# Altium PCB controller_V1.1.PcbDoc (part 6 of 7)
Units mil, origin at the board's own origin, x right, y up, seen from the top; angles counter-clockwise.
Board outline 9606 x 5905.51 mil, 2 copper layers (Top Layer, Bottom Layer); 439 components, 370 nets, 1496 pads, 8411 vias.
Unrouted connection lines stored in the file: 1.
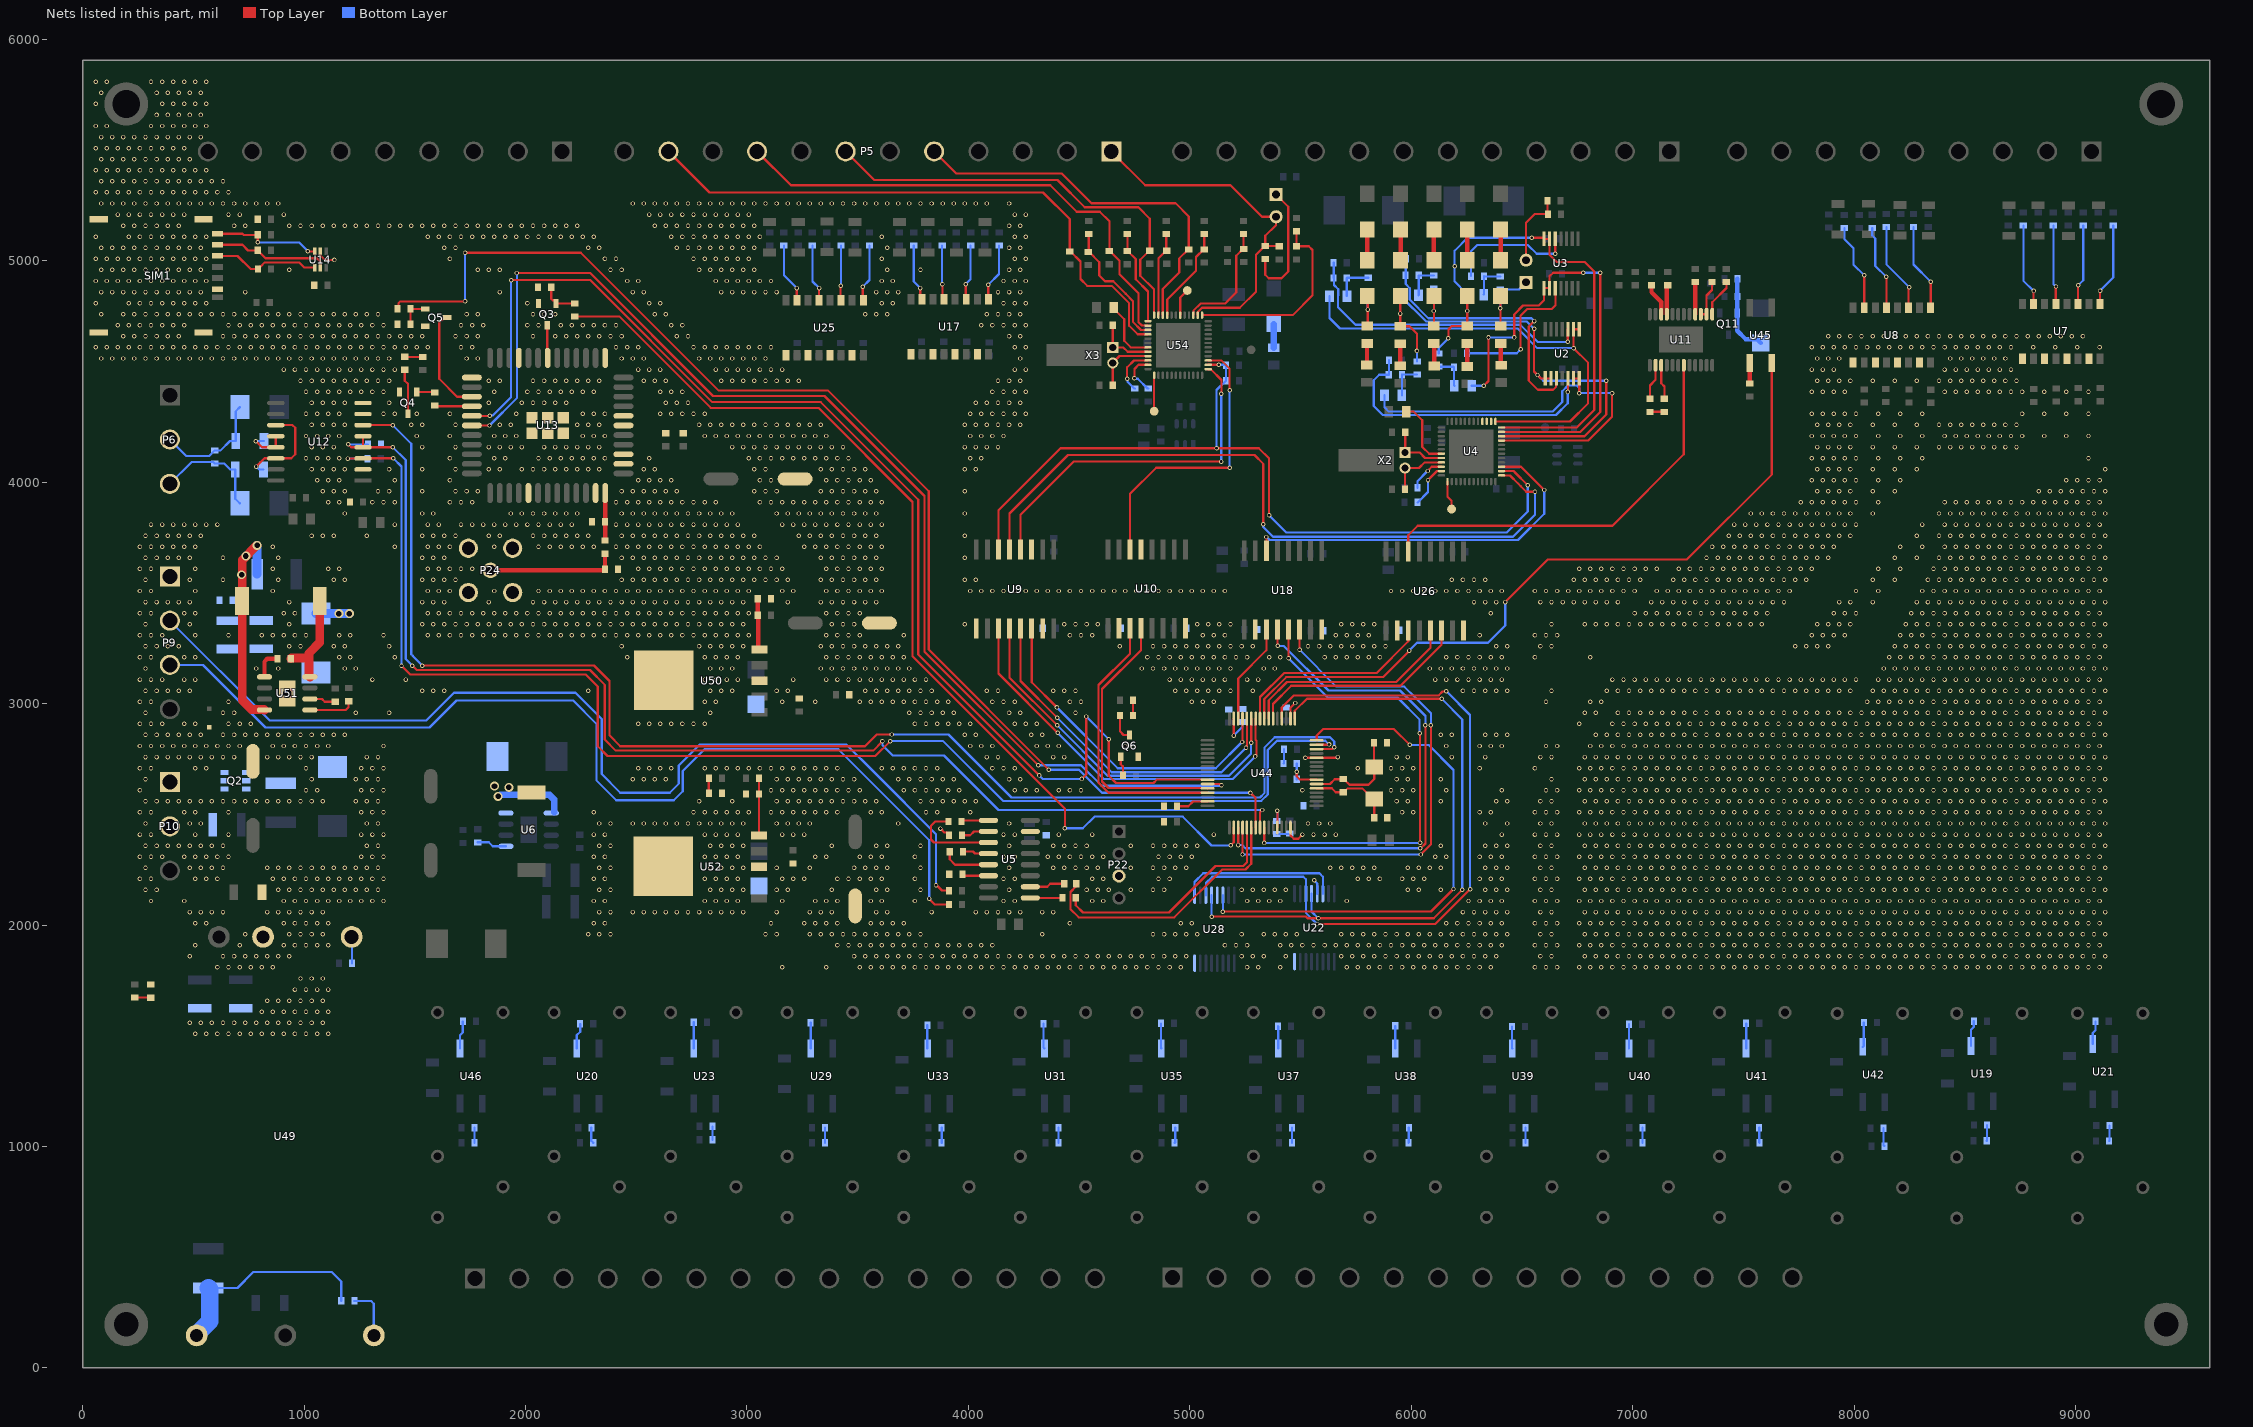
[diagram p6: the nets of this part, all layers, seen from the top]

## Via types
v1: diameter 20, hole 12, Top Layer to Bottom Layer, tented both sides, 8291 vias
v2: diameter 23.62, hole 11.81, Top Layer to Bottom Layer, 50 vias
v3: diameter 40, hole 25, Top Layer to Bottom Layer, tented both sides, 48 vias
v4: diameter 30, hole 20, Top Layer to Bottom Layer, tented both sides, 16 vias
v5: diameter 60, hole 40, Top Layer to Bottom Layer, tented both sides, 4 vias
v6: diameter 59.06, hole 39.37, Top Layer to Bottom Layer, 2 vias

## Nets (pads, with @x,y where several pads share a name; then routed paths per layer and width w, separated by ;. In a path a pad name is that pad's centre, name@x,y a point inside that pad or via, vN(x,y) a via of type N, cw(c..) or ccw(c..) an arc to the next point about the centre after c; other vN are vias at no path point) (continued)
GND: (continued)
  other v1: 7908.75,4209 7958.75,4209 8008.75,4209 8108.75,4209 8208.75,4209 8308.75,4209 8408.75,4209 8458.75,4209 8508.75,4209 8558.75,4209 8608.75,4209 8658.75,4209 8708.75,4209 8758.75,4209 8858.75,4209 8958.75,4209 9058.75,4209 1033.75,4259 1083.75,4259 1133.75,4259 1183.75,4259 1483.75,4259 1533.75,4259 1683.75,4259 1883.75,4259 1933.75,4259 2233.75,4259 2283.75,4259 2333.75,4259 2783.75,4259 2833.75,4259 2883.75,4259 2933.75,4259 2983.75,4259 3033.75,4259 3083.75,4259 3133.75,4259 3183.75,4259 3233.75,4259 3283.75,4259 3333.75,4259 3983.75,4259 4033.75,4259 4083.75,4259 4133.75,4259 4183.75,4259 4233.75,4259 7833.75,4259 7883.75,4259 7933.75,4259 7983.75,4259 8083.75,4259 8183.75,4259 8283.75,4259 8383.75,4259 8433.75,4259 8483.75,4259 8533.75,4259 8583.75,4259 8633.75,4259 8683.75,4259 8733.75,4259 1008.75,4309 1058.75,4309 1108.75,4309 1158.75,4309 1358.75,4309 1408.75,4309 1508.75,4309 1658.75,4309 1958.75,4309 2258.75,4309 2308.75,4309 2358.75,4309 2608.75,4309 2658.75,4309 2708.75,4309 2758.75,4309 2808.75,4309 4008.75,4309 4058.75,4309 4108.75,4309 4158.75,4309 4208.75,4309 4258.75,4309 7808.75,4309 7858.75,4309 7908.75,4309 7958.75,4309 8008.75,4309 8108.75,4309 8208.75,4309 8308.75,4309 8758.75,4309 8858.75,4309 8958.75,4309 9058.75,4309 1033.75,4359 1083.75,4359 1133.75,4359 1183.75,4359 1383.75,4359 1833.75,4359 1983.75,4359 2033.75,4359 2083.75,4359 2133.75,4359 2183.75,4359 2633.75,4359 2683.75,4359 2733.75,4359 4033.75,4359 4083.75,4359 4133.75,4359 4183.75,4359 4233.75,4359 1008.75,4409 1058.75,4409 1108.75,4409 1158.75,4409 1208.75,4409 1258.75,4409 1308.75,4409 1358.75,4409 1858.75,4409 2008.75,4409 2058.75,4409 2108.75,4409 2158.75,4409 2208.75,4409 2258.75,4409 2308.75,4409 2608.75,4409 2658.75,4409 2708.75,4409 4108.75,4409 4158.75,4409 4208.75,4409 4258.75,4409 7808.75,4409 7858.75,4409 7908.75,4409 7958.75,4409 8408.75,4409 8458.75,4409 8508.75,4409 8558.75,4409 8608.75,4409 8658.75,4409 8708.75,4409 8758.75,4409 8858.75,4409 8958.75,4409 9058.75,4409 983.75,4459 1033.75,4459 1083.75,4459 1133.75,4459 1183.75,4459 1233.75,4459 1283.75,4459 1333.75,4459 1383.75,4459 1833.75,4459 1883.75,4459 2033.75,4459 2083.75,4459 2133.75,4459 2183.75,4459 2233.75,4459 2283.75,4459 2333.75,4459 2533.75,4459 2583.75,4459 2633.75,4459 2883.75,4459 2933.75,4459 2983.75,4459 3033.75,4459 3083.75,4459 3133.75,4459 3183.75,4459 3233.75,4459 4133.75,4459 4183.75,4459 4233.75,4459 7833.75,4459 7883.75,4459 7933.75,4459 7983.75,4459 8083.75,4459 8183.75,4459 8283.75,4459 8383.75,4459 8433.75,4459 8483.75,4459 8533.75,4459 8583.75,4459 8633.75,4459 8683.75,4459 8733.75,4459 908.75,4509 958.75,4509 1008.75,4509 1058.75,4509 1108.75,4509 1158.75,4509 1208.75,4509 1258.75,4509 1308.75,4509 1358.75,4509 1408.75,4509 2508.75,4509 2558.75,4509 2608.75,4509 2858.75,4509 2908.75,4509 2958.75,4509 3008.75,4509 3058.75,4509 3108.75,4509 3158.75,4509 4208.75,4509 4258.75,4509 7808.75,4509 7858.75,4509 7908.75,4509 8408.75,4509 8458.75,4509 8508.75,4509 8558.75,4509 8608.75,4509 8658.75,4509 8708.75,4509 83.75,4559 133.75,4559 183.75,4559 233.75,4559 283.75,4559 333.75,4559 383.75,4559 433.75,4559 483.75,4559 533.75,4559 583.75,4559 633.75,4559 683.75,4559 733.75,4559 783.75,4559 833.75,4559 883.75,4559 933.75,4559 983.75,4559 1033.75,4559 1083.75,4559 1133.75,4559 1183.75,4559 1233.75,4559 1283.75,4559 1333.75,4559 1383.75,4559 1733.75,4559 1783.75,4559 2433.75,4559 2483.75,4559 2533.75,4559 2783.75,4559 2833.75,4559 2883.75,4559 2933.75,4559 2983.75,4559 3033.75,4559 3083.75,4559 4233.75,4559 7833.75,4559 7883.75,4559 7933.75,4559 8433.75,4559 8483.75,4559 8533.75,4559 8583.75,4559 8633.75,4559 8683.75,4559 58.75,4609 108.75,4609 158.75,4609 208.75,4609 258.75,4609 308.75,4609 358.75,4609 408.75,4609 458.75,4609 508.75,4609 558.75,4609 608.75,4609 658.75,4609 708.75,4609 758.75,4609 808.75,4609 858.75,4609 908.75,4609 958.75,4609 1008.75,4609 1058.75,4609 1108.75,4609 1158.75,4609 1208.75,4609 1258.75,4609 1308.75,4609 1358.75,4609 1408.75,4609 1458.75,4609 1508.75,4609 1558.75,4609 1708.75,4609 1758.75,4609 2408.75,4609 2458.75,4609 2508.75,4609 2758.75,4609 2808.75,4609 2858.75,4609 2908.75,4609 2958.75,4609 3008.75,4609 3058.75,4609 3108.75,4609 4208.75,4609 4258.75,4609 7808.75,4609 7858.75,4609 7908.75,4609 7958.75,4609 8008.75,4609 8058.75,4609 8108.75,4609 8158.75,4609 8208.75,4609 8258.75,4609 8308.75,4609 8358.75,4609 8408.75,4609 8458.75,4609 8508.75,4609 8558.75,4609 8608.75,4609 8658.75,4609 8708.75,4609 8808.75,4609 8908.75,4609 9008.75,4609 9108.75,4609 183.75,4659 233.75,4659 283.75,4659 333.75,4659 383.75,4659 433.75,4659 633.75,4659 683.75,4659 733.75,4659 783.75,4659 833.75,4659 883.75,4659 933.75,4659 983.75,4659 1033.75,4659 1083.75,4659 1133.75,4659 1183.75,4659 1233.75,4659 1283.75,4659 1333.75,4659 1383.75,4659 1433.75,4659 1483.75,4659 1533.75,4659 1683.75,4659 1733.75,4659 1783.75,4659 2033.75,4659 2133.75,4659 2183.75,4659 2233.75,4659 2283.75,4659 2333.75,4659 2383.75,4659 2433.75,4659 2683.75,4659 2733.75,4659 4183.75,4659 4233.75,4659 7883.75,4659 7933.75,4659 7983.75,4659 8033.75,4659 8083.75,4659 8133.75,4659 8183.75,4659 8233.75,4659 8283.75,4659 8333.75,4659 8383.75,4659 8433.75,4659 8483.75,4659 8533.75,4659 8583.75,4659 8633.75,4659 8683.75,4659 8733.75,4659 8783.75,4659 8833.75,4659 8883.75,4659 8933.75,4659 8983.75,4659 9033.75,4659 158.75,4709 208.75,4709 258.75,4709 308.75,4709 358.75,4709 408.75,4709 458.75,4709 658.75,4709 708.75,4709 758.75,4709 808.75,4709 858.75,4709 908.75,4709 958.75,4709 1008.75,4709 1058.75,4709 1108.75,4709 1158.75,4709 1208.75,4709 1258.75,4709 1308.75,4709 1358.75,4709 1708.75,4709 1758.75,4709 1808.75,4709 2008.75,4709 2058.75,4709 2158.75,4709 2208.75,4709 2258.75,4709 2308.75,4709 2358.75,4709 2408.75,4709 2658.75,4709 2708.75,4709 4058.75,4709 4108.75,4709 4158.75,4709 4208.75,4709 4258.75,4709 83.75,4759 183.75,4759 233.75,4759 283.75,4759 333.75,4759 383.75,4759 433.75,4759 483.75,4759 533.75,4759 583.75,4759 633.75,4759 683.75,4759 733.75,4759 783.75,4759 833.75,4759 883.75,4759 933.75,4759 983.75,4759 1033.75,4759 1083.75,4759 1133.75,4759 1183.75,4759 1233.75,4759 1283.75,4759 1333.75,4759 1733.75,4759 1783.75,4759 2033.75,4759 2083.75,4759 2133.75,4759 2583.75,4759 2633.75,4759 3533.75,4759 3583.75,4759 3633.75,4759 4083.75,4759 4133.75,4759 4183.75,4759 4233.75,4759 58.75,4809 208.75,4809 258.75,4809 308.75,4809 358.75,4809 408.75,4809 458.75,4809 508.75,4809 558.75,4809 2008.75,4809 2558.75,4809 2608.75,4809 3608.75,4809 3658.75,4809 4158.75,4809 4208.75,4809 4258.75,4809 83.75,4859 133.75,4859 183.75,4859 233.75,4859 283.75,4859 333.75,4859 383.75,4859 433.75,4859 483.75,4859 533.75,4859 733.75,4859 1883.75,4859 2483.75,4859 2533.75,4859 2883.75,4859 2933.75,4859 2983.75,4859 3033.75,4859 3083.75,4859 3133.75,4859 3583.75,4859 3633.75,4859 3683.75,4859 4133.75,4859 4183.75,4859 4233.75,4859 58.75,4909 108.75,4909 158.75,4909 208.75,4909 258.75,4909 308.75,4909 358.75,4909 408.75,4909 458.75,4909 508.75,4909 558.75,4909 2458.75,4909 2508.75,4909 2858.75,4909 2908.75,4909 2958.75,4909 3008.75,4909 3058.75,4909 3108.75,4909 3608.75,4909 3658.75,4909 4158.75,4909 4208.75,4909 4258.75,4909 83.75,4959 133.75,4959 183.75,4959 233.75,4959 283.75,4959 333.75,4959 383.75,4959 433.75,4959 483.75,4959 533.75,4959 933.75,4959 1783.75,4959 1833.75,4959 1883.75,4959 2383.75,4959 2433.75,4959 2783.75,4959 2833.75,4959 2883.75,4959 2933.75,4959 2983.75,4959 3033.75,4959 3633.75,4959 3783.75,4959 4183.75,4959 4233.75,4959 58.75,5009 108.75,5009 158.75,5009 208.75,5009 258.75,5009 308.75,5009 358.75,5009 408.75,5009 458.75,5009 508.75,5009 558.75,5009 1658.75,5009 2358.75,5009 2408.75,5009 2758.75,5009 2808.75,5009 2858.75,5009 2908.75,5009 2958.75,5009 3008.75,5009 3608.75,5009 4208.75,5009 4258.75,5009 83.75,5059 133.75,5059 183.75,5059 233.75,5059 283.75,5059 333.75,5059 383.75,5059 433.75,5059 483.75,5059 533.75,5059 1633.75,5059 1683.75,5059 2283.75,5059 2333.75,5059 2683.75,5059 2733.75,5059 2783.75,5059 2833.75,5059 2883.75,5059 2933.75,5059 2983.75,5059 3033.75,5059 3633.75,5059 4183.75,5059 4233.75,5059 58.75,5109 208.75,5109 258.75,5109 308.75,5109 358.75,5109 408.75,5109 458.75,5109 508.75,5109 558.75,5109 1558.75,5109 1608.75,5109 1658.75,5109 1708.75,5109 1758.75,5109 1808.75,5109 1858.75,5109 1908.75,5109 1958.75,5109 2008.75,5109 2058.75,5109 2108.75,5109 2158.75,5109 2208.75,5109 2258.75,5109 2308.75,5109 2658.75,5109 2708.75,5109 2758.75,5109 2808.75,5109 2858.75,5109 2908.75,5109 2958.75,5109 3008.75,5109 3058.75,5109 3608.75,5109 4208.75,5109 4258.75,5109 183.75,5159 233.75,5159 283.75,5159 333.75,5159 383.75,5159 433.75,5159 683.75,5159 733.75,5159 933.75,5159 983.75,5159 1033.75,5159 1083.75,5159 1133.75,5159 1183.75,5159 1233.75,5159 1283.75,5159 1333.75,5159 1383.75,5159 1433.75,5159 1483.75,5159 1533.75,5159 1583.75,5159 1633.75,5159 1683.75,5159 1733.75,5159 1783.75,5159 1833.75,5159 1883.75,5159 1933.75,5159 1983.75,5159 2033.75,5159 2083.75,5159 2133.75,5159 2183.75,5159 2233.75,5159 2583.75,5159 2633.75,5159 2683.75,5159 2733.75,5159 2783.75,5159 2833.75,5159 2883.75,5159 2933.75,5159 2983.75,5159 3033.75,5159 4183.75,5159 4233.75,5159 158.75,5209 208.75,5209 258.75,5209 308.75,5209 358.75,5209 408.75,5209 458.75,5209 658.75,5209 708.75,5209 908.75,5209 2558.75,5209 2608.75,5209 2658.75,5209 2708.75,5209 2758.75,5209 2808.75,5209 2858.75,5209 2908.75,5209 2958.75,5209 3008.75,5209 4208.75,5209 4258.75,5209 83.75,5259 133.75,5259 183.75,5259 233.75,5259 283.75,5259 333.75,5259 383.75,5259 433.75,5259 483.75,5259 533.75,5259 583.75,5259 633.75,5259 683.75,5259 733.75,5259 783.75,5259 833.75,5259 883.75,5259 2483.75,5259 2533.75,5259 2583.75,5259 2633.75,5259 2683.75,5259 2733.75,5259 2783.75,5259 2833.75,5259 2883.75,5259 2933.75,5259 2983.75,5259 3033.75,5259 3083.75,5259 3133.75,5259 3183.75,5259 3233.75,5259 3283.75,5259 3333.75,5259 3383.75,5259 3433.75,5259 3483.75,5259 3533.75,5259 3583.75,5259 3633.75,5259 3683.75,5259 3733.75,5259 3783.75,5259 3833.75,5259 3883.75,5259 3933.75,5259 3983.75,5259 4033.75,5259 4083.75,5259 4183.75,5259 58.75,5309 108.75,5309 158.75,5309 208.75,5309 258.75,5309 308.75,5309 358.75,5309 408.75,5309 458.75,5309 508.75,5309 558.75,5309 608.75,5309 658.75,5309 83.75,5359 133.75,5359 183.75,5359 233.75,5359 283.75,5359 333.75,5359 383.75,5359 433.75,5359 483.75,5359 533.75,5359 583.75,5359 633.75,5359 58.75,5409 108.75,5409 158.75,5409 208.75,5409 258.75,5409 308.75,5409 358.75,5409 408.75,5409 458.75,5409 508.75,5409 558.75,5409 83.75,5459 133.75,5459 183.75,5459 233.75,5459 283.75,5459 333.75,5459 383.75,5459 433.75,5459 483.75,5459 58.75,5509 108.75,5509 158.75,5509 208.75,5509 258.75,5509 308.75,5509 358.75,5509 408.75,5509 458.75,5509 83.75,5559 133.75,5559 183.75,5559 233.75,5559 283.75,5559 333.75,5559 383.75,5559 433.75,5559 483.75,5559 533.75,5559 58.75,5609 108.75,5609 308.75,5609 358.75,5609 408.75,5609 458.75,5609 508.75,5609 558.75,5609 333.75,5659 383.75,5659 433.75,5659 483.75,5659 533.75,5659 58.75,5709 358.75,5709 408.75,5709 458.75,5709 508.75,5709 558.75,5709 83.75,5759 333.75,5759 383.75,5759 433.75,5759 483.75,5759 533.75,5759 58.75,5809 108.75,5809 308.75,5809 358.75,5809 408.75,5809 458.75,5809 508.75,5809 558.75,5809
  other v6: 923.63,3046.33
IN_RCK: U22.12 U28.12 U44.17 | length 3032.2
  Top Layer w10: v1(5098.44,2038.44) 5524.56,2038.44 5532,2031 v1(5581,2031) ; U44.17@5474.53,2932.7 5474.53,2967.96 5529,3022.44 v1(6137.56,3022.44) ; v1@5580,2031 v1(5581,2031) ; v1(6231,2160) 6102,2031 v1(5581,2031)
  Bottom Layer w10: v1(5098.44,2038.44) U28.12@5098.44,2135 ; U22.12@5549.85,2142.09 5549.85,2061.15 v1@5580,2031 ; v1(6137.56,3022.44) 6231,2929 v1(6231,2160)
IN_SCK: U22.11 U28.11 U44.20 | length 3276.5
  Top Layer w10: U44.20@5415.47,2932.7 5415.47,2982.47 5470.5,3037.5 6124.34,3037.5 6141.67,3054.82 6157.82,3054.82 v1(6159,3056) ; v1(5575,2005) 6109,2005 v1(6266,2162)
  Bottom Layer w10: U28.11@5072.85,2135 5072.85,2189.85 5101,2218 5513.04,2218 5524.26,2206.78 U22.11@5524.26,2142.09 5524.26,2055.74 v1(5575,2005) ; v1(6159,3056) 6266,2949 6266,2257 ; v1(6266,2162) 6266,2257 ; 6266,2244 6266,2257
IN_SI: U28.14 U44.16 | length 2531.4
  Top Layer w10: v1(5149.62,2061) 5259,2061 ; v1@5152,2061 5259,2061 ; U44.16@5572.95,2834.28 5572.95,2855.95 5603,2886 5921,2886 v1(5993,2814) ; v1(6191,2163) 6089,2061 5259,2061
  Bottom Layer w10: v1(5149.62,2061) U28.14@5149.62,2135 ; v1(5993,2814) 6078,2814 6191,2701 v1(6191,2163)
IO0: U44.24 U45.2 | length 3365.7
  Top Layer w10: U44.24@5336.73,2932.7 5336.73,3021 5435.73,3120 5873,3120 v1@5991,3238 ; v1(6425,3459) 6617,3651 7245,3651 7628.54,4034.54 U45.2@7628.54,4539
  Bottom Layer w10: v1(5991,3240) 6026,3275 6347,3275 6425,3353 v1(6425,3459)
IOUT0: C112.2 D8.1 Q11.2 R72.2 | length 364.5
  Bottom Layer w20: C112.2@7473.54,4919 7472.91,4918.37 7472.91,4764.63 Q11.2@7472.28,4764 7472.28,4684.07 7509.64,4646.7 7560.83,4646.7 D8.1@7578.54,4629
LATCH_AO: U11.7 U26.14 | length 1872.4
  Top Layer w10: U26.14@5986.85,3686.87 5986.85,3760.85 6030,3804 6909,3804 7231.33,4126.33 U11.7@7231.33,4528.84
LATCH_AO_MCU: U26.3 U44.25 | length 920.4
  Top Layer w10: U44.25@5317.05,2932.7 5317.05,3030.05 5426,3139 5843.85,3139 5986.85,3282 U26.3@5986.85,3330.87
LCD_RX: R26.2 U44.53 | length 1070.4
  Top Layer w10: R26.2@4484.91,2123 4484.91,2089.93 4517.84,2057 4906.05,2057 5116.05,2267 5241,2267 5258,2284 U44.53@5258,2440.57
LCD_TX: R21.2 U44.54 | length 1221.6
  Top Layer w10: R21.2@4487.35,2187 4487.35,2175.96 4461.13,2149.73 4461.13,2071.87 4498,2035 4930.05,2035 5146.05,2251 5251.68,2251 5277.68,2277 U44.54@5277.68,2440.57
LTE_MRX: U13.17 U44.42 | length 5724.1
  Top Layer w10: U13.17@1757.33,4299.74 v1(1838.26,4299.74) ; v1(1935,4913) 2293,4913 2844,4362 3333,4362 3773.41,3921.59 3773.41,3822 3773.41,3222.59 v1(4320,2676) ; v1(4512.16,2660.2) 4532,2680.05 v1(4532,2942) ; v1(4634,2840) 4634,2674.98 4666.98,2642 4836.01,2642 4851.12,2657.11 U44.42@5080.83,2657.11
  Bottom Layer w10: v1@1840.17,4301.65 1851.65,4301.65 1935,4385 v1(1935,4913) ; v1(4320,2676) 4335.8,2660.2 v1(4512.16,2660.2) ; v1(4532,2942) v1(4634,2840)
LTE_MTX: U13.18 U44.43 | length 5521.7
  Top Layer w10: U13.18@1757.33,4256.43 v1(1837.43,4256.43) ; v1(1961,4945) 2292,4945 2847,4390 3350,4390 3802,3938 3802,3850 3802,3234.72 v1(4315.16,2721.56) v1@4319.16,2717.56 ; U44.43@5080.83,2637.43 5136.8,2637.43 v1(5143.23,2631)
  Bottom Layer w10: v1(1837.43,4256.43) 1961,4380 v1(1961,4945) ; v1@4323.6,2722 4509,2722 4602,2629 5013,2629 ; 5098,2629 5013,2629 ; v1(5143.23,2631) 5141.23,2629 5013,2629
LTE_PWR_CTRL: R162.1 U44.50 | length 4559.8
  Top Layer w10: R162.1@2222,4748 2425,4748 2837,4336 3323,4336 3748,3911 3748,3214 4317,2645 ; 4329,2633 4317,2645 ; v1(4436,2437) 4436,2526 4317,2645 ; v1(5185,2360) 5198.94,2373.94 U44.50@5198.94,2440.57
  Bottom Layer w10: v1(4436,2437) 4517,2437 4570,2490 4968,2490 5098,2360 v1(5185,2360)
LTE_RST: R165.1 U44.55 | length 5694.5
  Top Layer w10: R165.1@1422.01,4783.09 1425.96,4787.04 1425.96,4808.96 1434,4817 v1(1727,4817) ; v1(1727,5037) 2249,5037 2871,4415 3365,4415 3820.67,3959.33 3820.67,3244.33 v1(4363,2702) ; v1(5274,2597) 5297.36,2573.64 U44.55@5297.36,2440.57
  Bottom Layer w10: v1(1727,4817) v1(1727,5037) ; v1(4363,2702) 4500,2702 4604,2598 5273,2598 v1(5274,2597)
MAIN0: C5.2 U2.8 U2.9 U4.37 | length 2096.7
  Top Layer w10: U4.37@6380.43,4274.83 6716.83,4274.83 6799,4357 6799,4539.91 v1(6733.18,4605.73) U2.9@6733.18,4691 U2.8@6758.77,4691
  Bottom Layer w10: C5.2@5631.05,4840.6 5631.05,4741.95 5678.73,4694.27 6480.73,4694.27 6569.27,4605.73 v1(6733.18,4605.73)
MAIN1: C13.2 U2.6 U2.7 U4.33 | length 1938
  Top Layer w10: U4.33@6407.99,4188.21 6799.21,4188.21 6907,4296 v1(6907,4402.78) ; U2.6@6733.18,4469 U2.7@6758.77,4469 v1(6758.77,4402.77) v1@6758,4402
  Bottom Layer w10: C13.2@5879.05,4392.6 5879.05,4338.37 5898.43,4319 6638,4319 6681.73,4362.73 6681.73,4411.01 6707.72,4437 6747,4437 6758.77,4425.23 v1(6758.77,4402.77) v1@6906.99,4402.77
MAIN2: C3.2 U2.1 U2.2 U4.34 | length 1936.1
  Top Layer w10: U4.34@6407.99,4207.9 6782.9,4207.9 6881,4306 v1(6881,4458.2) ; v1(6555,4693) 6555,4500 v1(6570.5,4484.5) 6586,4469 U2.1@6605.23,4469 U2.2@6630.82,4469
  Bottom Layer w10: C3.2@5954.26,4845 5954.26,4839.09 6067.35,4726 6522,4726 v1(6555,4693) ; v1(6570.5,4484.5) 6596.8,4458.2 v1(6881,4458.2)
MAIN3: C21.2 U3.8 U3.9 U4.35 | length 2143.5
  Top Layer w10: v1(6328,4436) 6349,4457 v1(6349,4654) ; U4.35@6407.99,4227.58 6764.58,4227.58 6854,4317 v1(6854,4946) ; v1(6465,4654) 6465,4758 6505,4798 6576,4798 6599.23,4821.23 U3.8@6599.23,4877 U3.9@6624.82,4877 6624.82,4929.82 6641,4946 v1(6776.5,4946)
  Bottom Layer w10: C21.2@6273.74,4436 v1(6328,4436) ; v1(6349,4654) v1(6465,4654) ; v1(6776.5,4946) v1(6854,4946)
MAIN4: C4.2 U3.6 U3.7 U4.36 | length 2059.5
  Top Layer w10: U4.36@6407.99,4247.27 6748.27,4247.27 6827,4326 6827,4952 6784,4995 6657.46,4995 6624.82,5027.64 U3.6@6624.82,5099 U3.7@6599.23,5099 6599.23,5102 6597.23,5104 v1(6544,5104)
  Bottom Layer w10: C4.2@6249.05,4847.6 6249.05,4853.5 6196.08,4906.48 6196.08,5046.08 6254,5104 v1(6544,5104)
  other v1: 6196.08,4976.28
MAIN6: U4.39
MAIN7: U4.40
MAIN8: U4.38
MB_RX1: R227.1 U12.3 U44.15 | length 6186
  Top Layer w10: v1(1197.49,4107) 1265,4107 U12.3@1266,4108 v1(1403,4108) ; v1(1440,3171) 1479,3132 2272,3132 2326,3078 2326,2808 2370,2764 3580,2764 v1(3647,2831) ; U44.15@5572.95,2814.59 5618.41,2814.59
  Bottom Layer w10: v1(1197.49,4107) R227.1@1286.94,4107 ; v1(1403,4108) 1440,4071 v1(1440,3171) ; v1(3647,2831) 3886,2831 4156,2561 5323,2561 5351.89,2589.89 5351.89,2790.89 5394,2833 5612,2833 v1(5629,2816)
MB_RX1_N: D79.2 F7.2 P6.2 R110.1 | length 518.5
  Bottom Layer w10: P6.2@393.86,4193 468.86,4118 570.85,4118 R110.1@596.85,4144 623,4144 665,4186 F7.2@690.9,4186 690.9,4320.21 D79.2@710.69,4340
MB_RX1_P: D78.2 F8.2 P6.3 R110.2 | length 511
  Bottom Layer w10: P6.3@393.86,3993 491.86,4091 590.8,4091 R110.2@596.85,4084.95 640.05,4084.95 667,4058 F8.2@688.85,4058 688.85,3926 D78.2@709.85,3905
MB_RXEN1: R76.1 U12.4 U12.5 U44.56 | length 5751.4
  Top Layer w10: v1(1199.49,4171) 1212.49,4158 U12.4@1266,4158 ; U12.5@1266,4208 U12.4@1266,4158 ; v1(1401,4158) U12.4@1266,4158 ; v1(1489,3172) 1509,3152 2291,3152 2358,3085 2358,2838 2408,2788 3570,2788 v1@3612,2830 ; U44.56@5317.05,2440.57 5317.05,2510.05 v1(5327,2520)
  Bottom Layer w10: v1(1199.49,4171) R76.1@1288.94,4171 ; v1(1401,4158) 1458.74,4100.26 1458.74,3202.26 v1(1489,3172) ; v1(3612,2831) 3612,2812 3658,2766 3890,2766 4093,2563 4136,2520 v1(5327,2520)
MB_TX1: U12.6 U44.14 | length 6177.1
  Top Layer w10: U12.6@1266,4258 v1(1400,4258) ; v1(1534,3172) 2309,3172 2379,3102 2379,2857 2428,2808 3533,2808 3586,2861 v1(3654,2861) ; U44.14@5572.95,2794.91 5643.91,2794.91 v1(5652,2803)
  Bottom Layer w10: v1(1400,4258) 1484,4174 1484,3223 1490.82,3216.18 1490.82,3215.18 v1(1534,3172) ; v1(3654,2861) 3910,2861 4195,2576 5316.79,2576 5336.89,2596.11 5336.89,2801.6 5383.29,2848 5633,2848 5652,2829 v1(5652,2803)
MC\S\1: U4.27 U18.14 | length 1715.8
  Top Layer w10: U18.14@5345.85,3690.9 v1(5345.85,3752.85) ; U4.27@6407.99,4070.1 6496,4070.1 v1(6601.05,3965.05)
  Bottom Layer w10: v1(5345.85,3752.85) 5359.7,3739 6482,3739 6601.05,3858.05 v1(6601.05,3965.05)
MC\S\_PT1: U10.14 U54.27 | length 1309.2
  Top Layer w10: U10.14@4729.85,3696.9 4729.85,3947.85 4848,4066 v1(5180,4066) ; U54.27@5082.99,4550.1 5117.12,4550.1 5117.43,4550.42 5141.69,4550.42 5180,4512.11 v1(5180,4416)
  Bottom Layer w10: v1(5180,4066) v1(5180,4416)
MC\S\_PT2: U10.13
MD\R\D\Y\: U4.25 U9.5 | length 3307.6
  Top Layer w10: U9.5@4185.85,3695.9 4185.85,3858.85 4450,4123 5292,4123 5332,4083 v1(5332,3810) ; U4.25@6407.99,4030.73 6446.27,4030.73 6484,3993 ; 6495,3982 6484,3993 ; v1(6559,3957) 6520,3957 6484,3993
  Bottom Layer w10: v1(5332,3810) 5332,3797.72 5375.72,3754 6460,3754 6559,3853 v1(6559,3957)
MD\R\D\Y\_MCU: U9.12 U44.27 | length 1696.7
  Top Layer w10: U9.12@4185.85,3339.9 4185.85,3117.15 v1(4401,2902) ; U44.27@5277.68,2932.7 5277.68,2823.31 v1(5277.99,2823)
  Bottom Layer w10: v1(4401,2902) 4628,2675 5177,2675 5277,2775 5277,2822.01 v1(5277.99,2823)
MD\R\D\Y\_PT1: U9.4 U54.25 | length 1614.2
  Top Layer w10: U9.4@4235.85,3695.9 4235.85,3853.85 4475.5,4093.5 v1(5142.5,4093.5) ; U54.25@5082.99,4510.73 5094.21,4510.73 5143.43,4461.52 5143.43,4401.43 v1(5142,4400)